# Altium PCB X-Track_2.0.PcbDoc
Units mil, origin at the board's own origin, x right, y up, seen from the top; angles counter-clockwise.
Board outline 1405 x 1615 mil, 4 copper layers (Top Layer, Layer 1, Layer 2, Bottom Layer), stack 23.756 mil thick; 86 components, 60 nets, 363 pads, 454 vias.
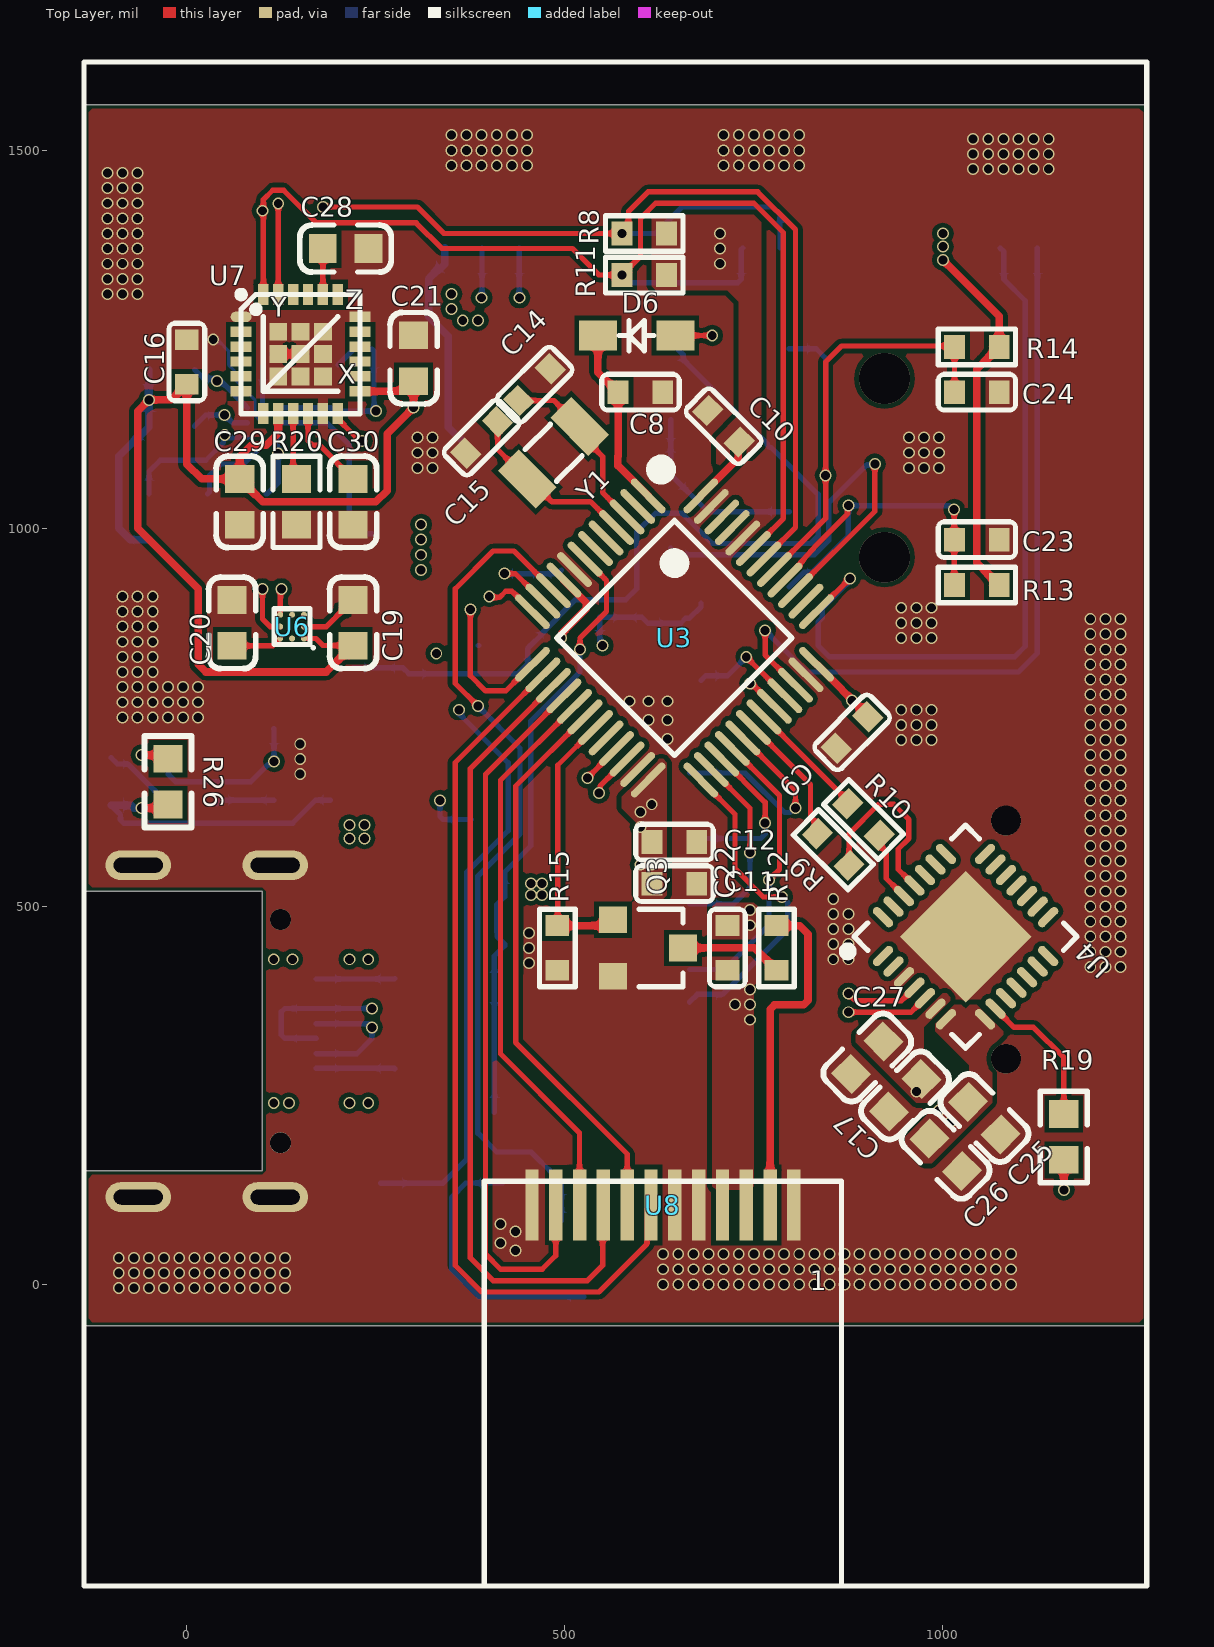
[diagram p0: Top Layer view]
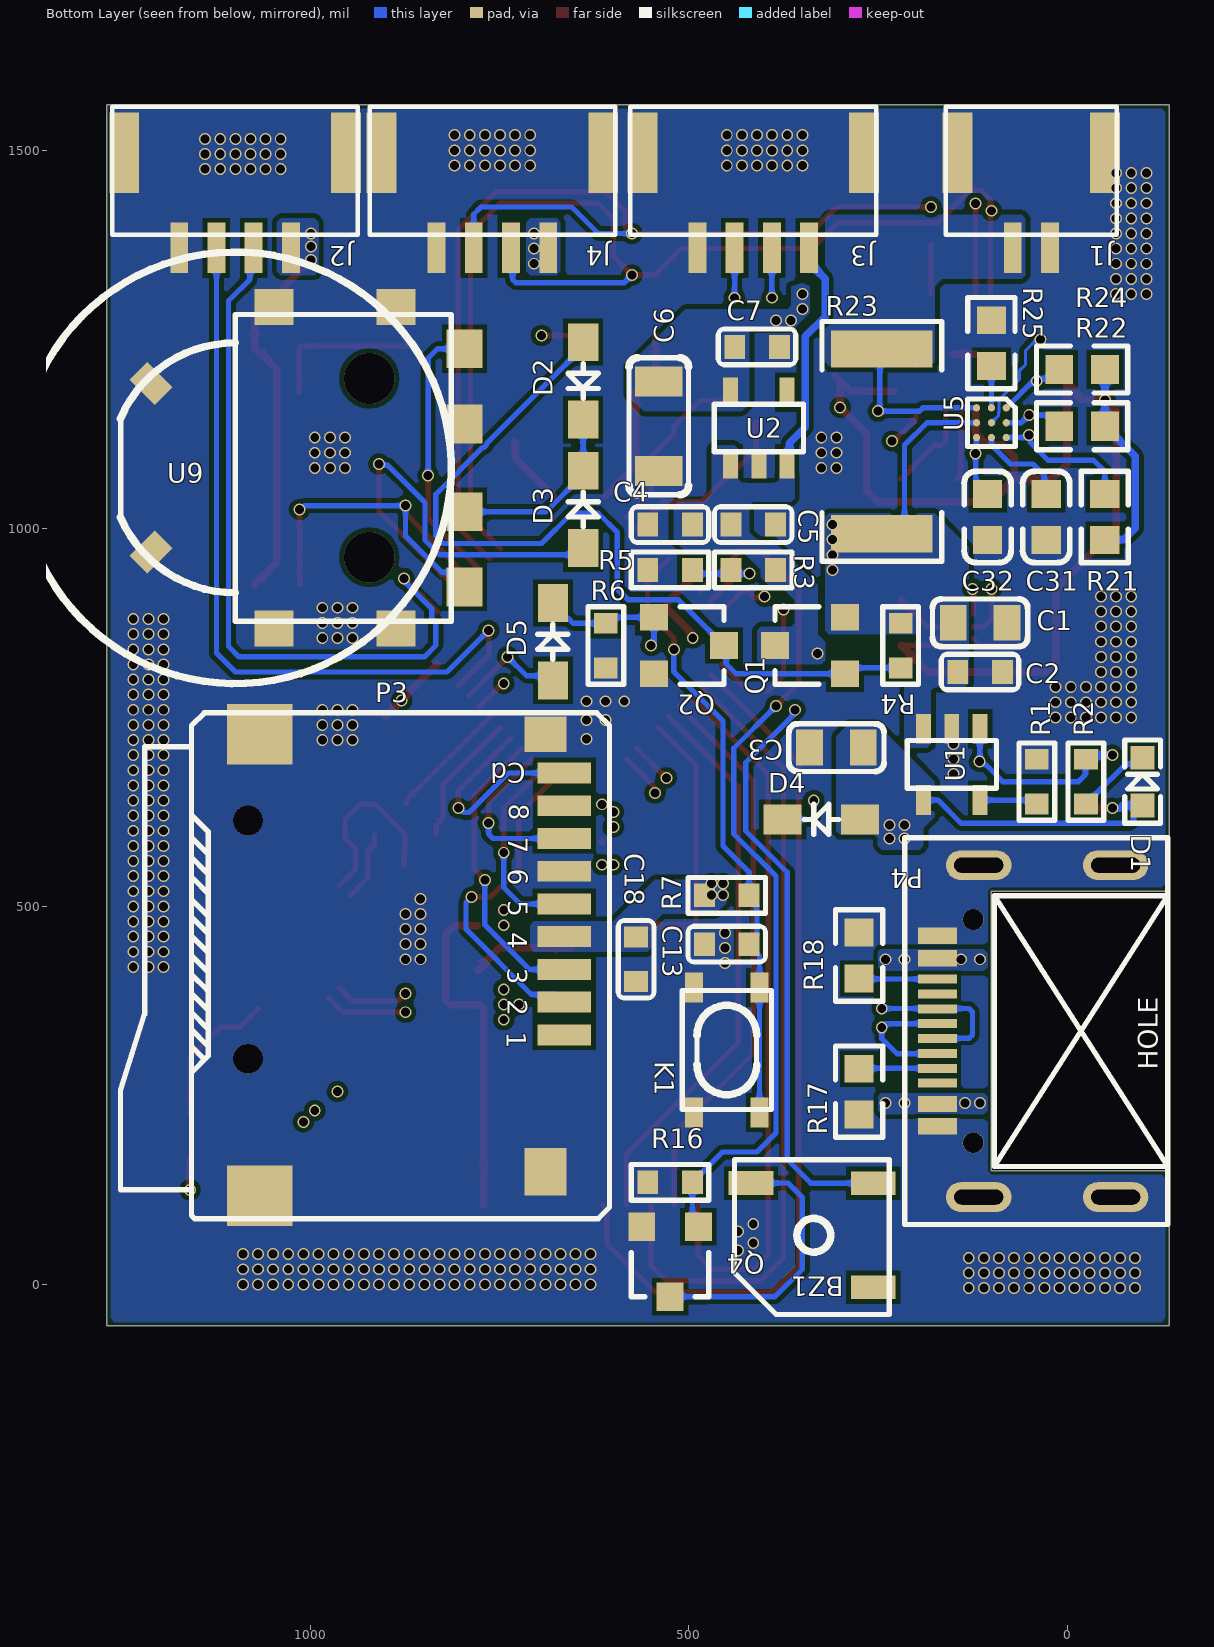
[diagram p1: Bottom Layer view, seen from below]
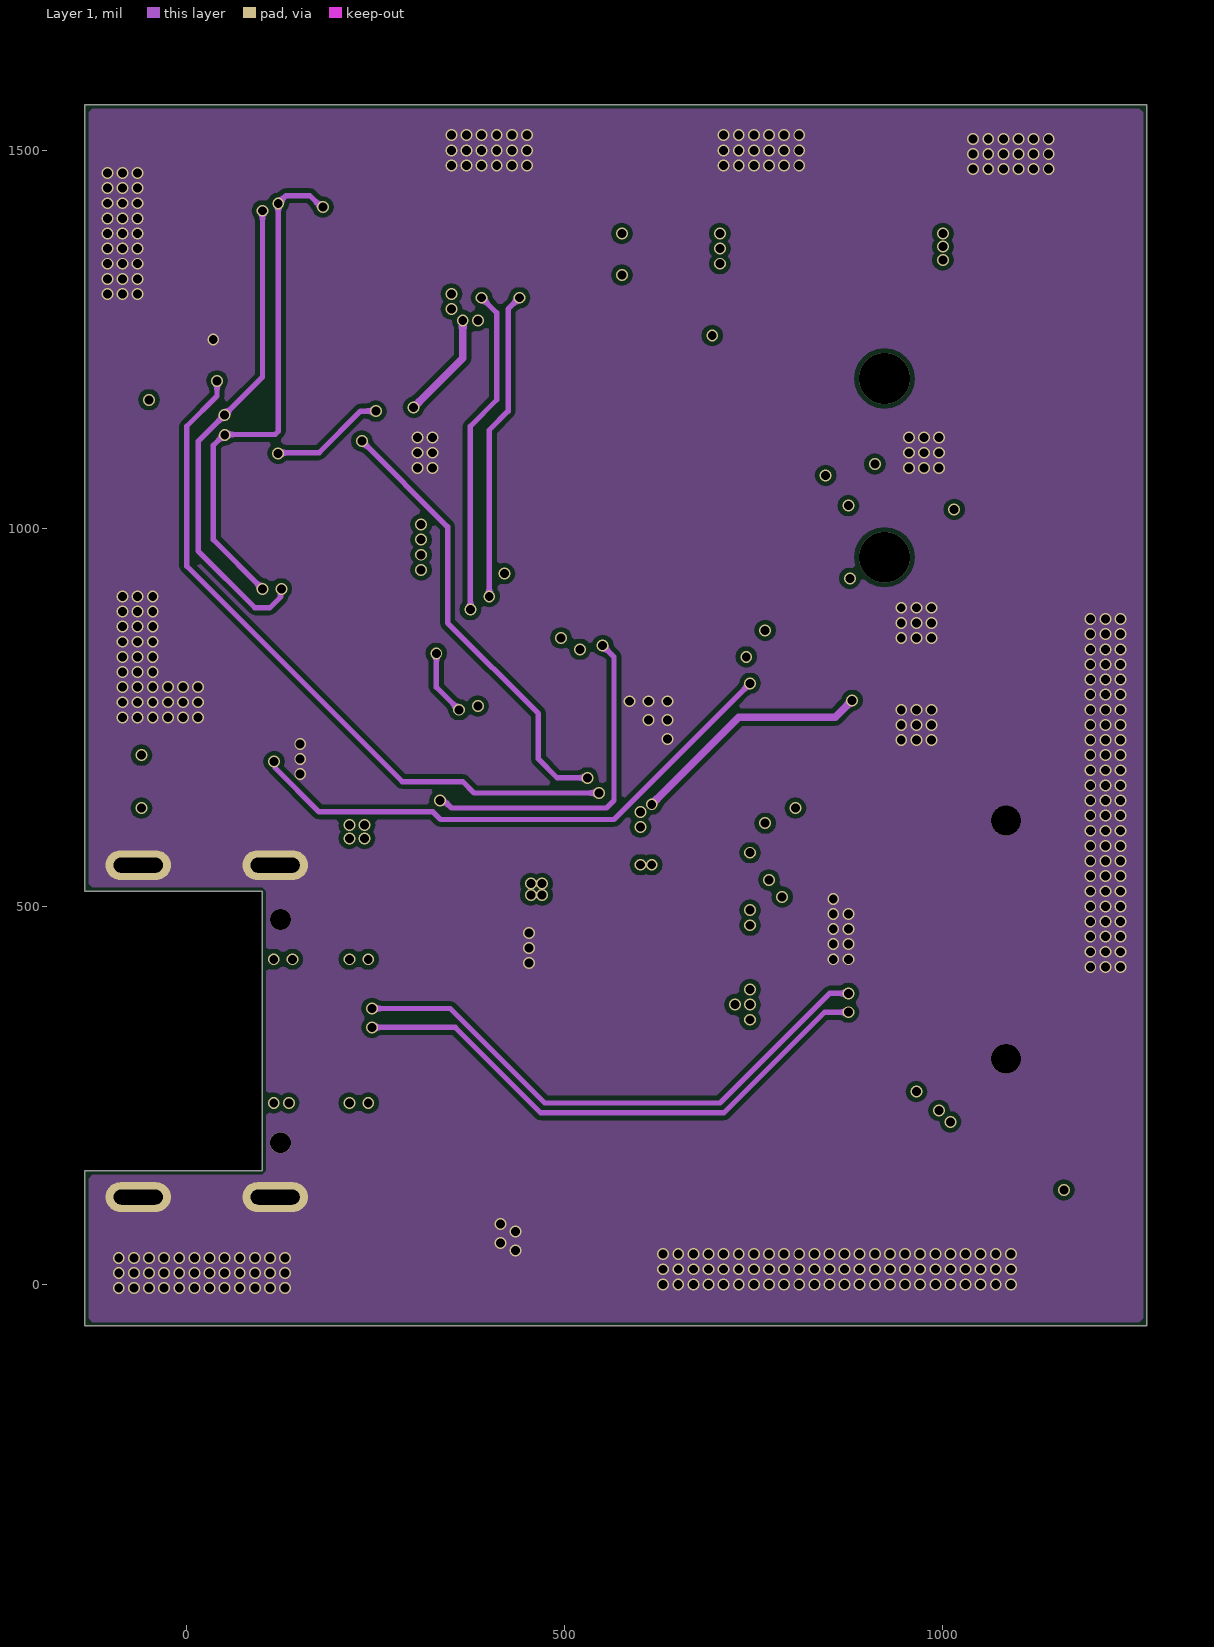
[diagram p2: Layer 1]
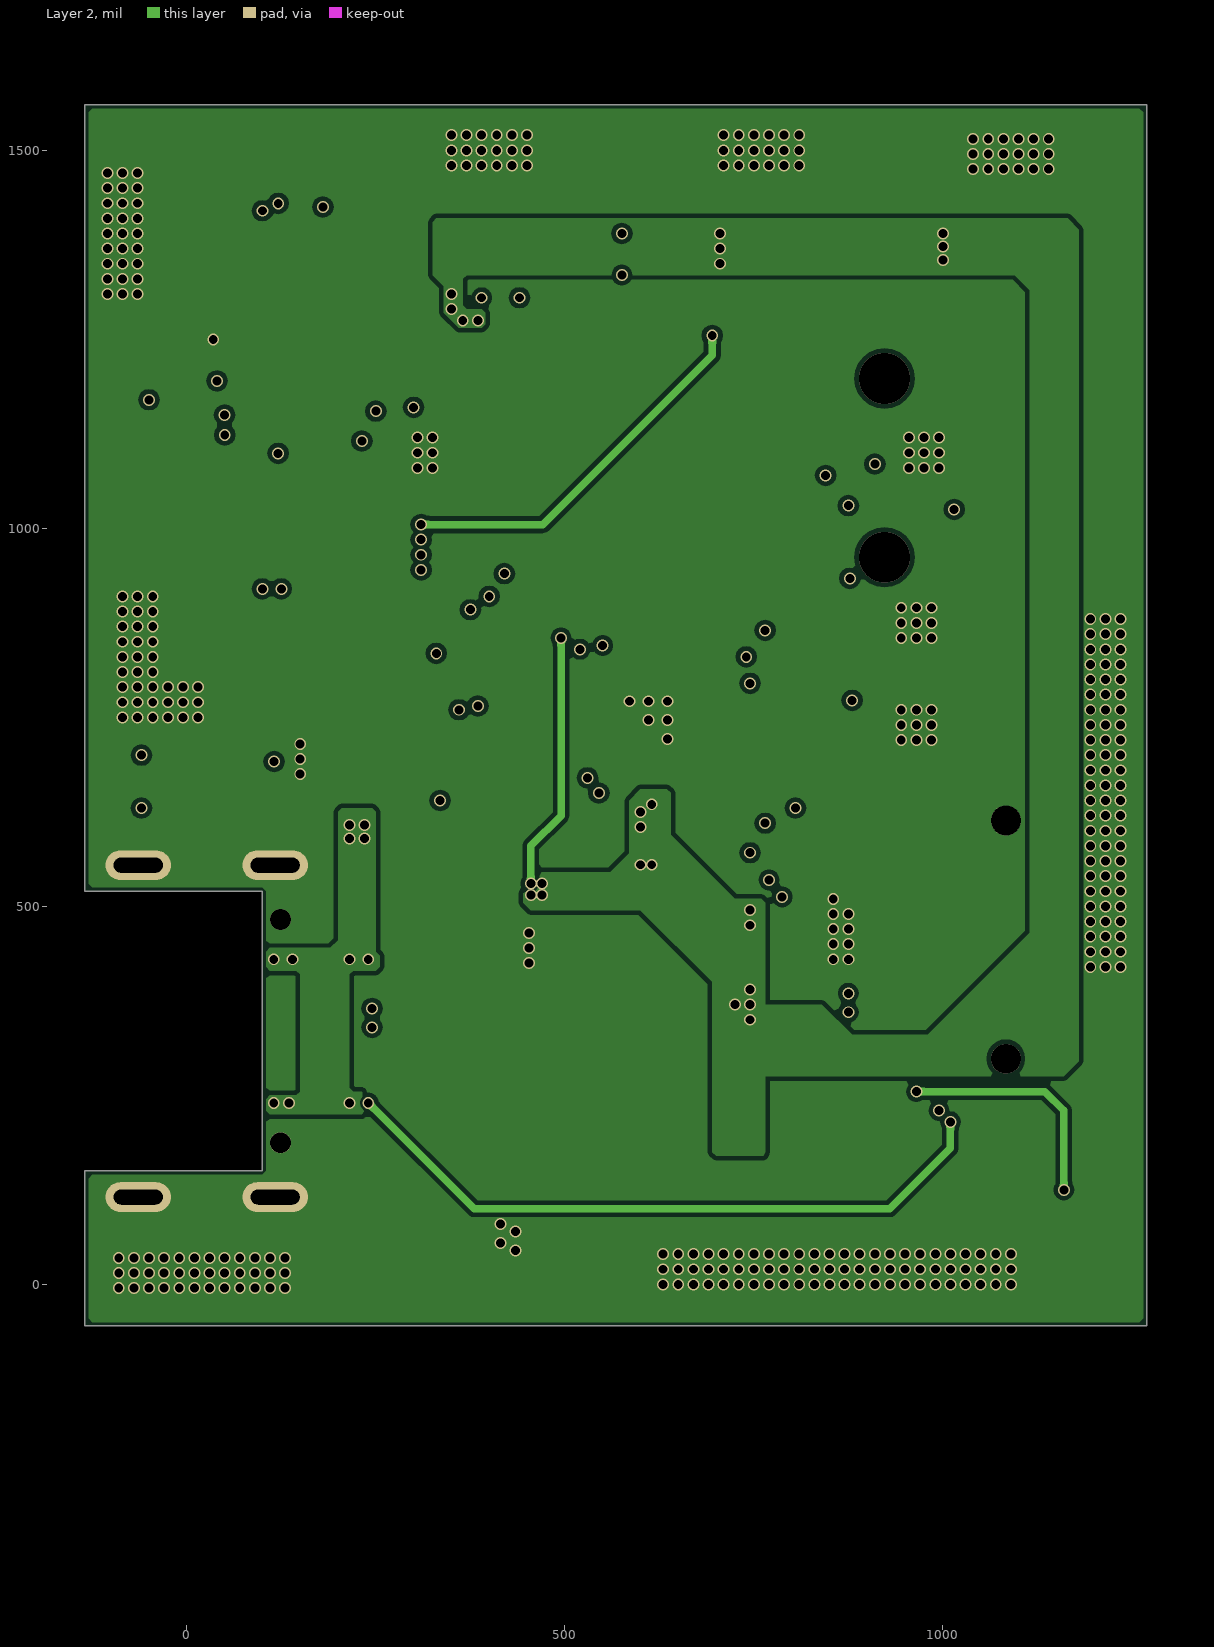
[diagram p3: Layer 2]
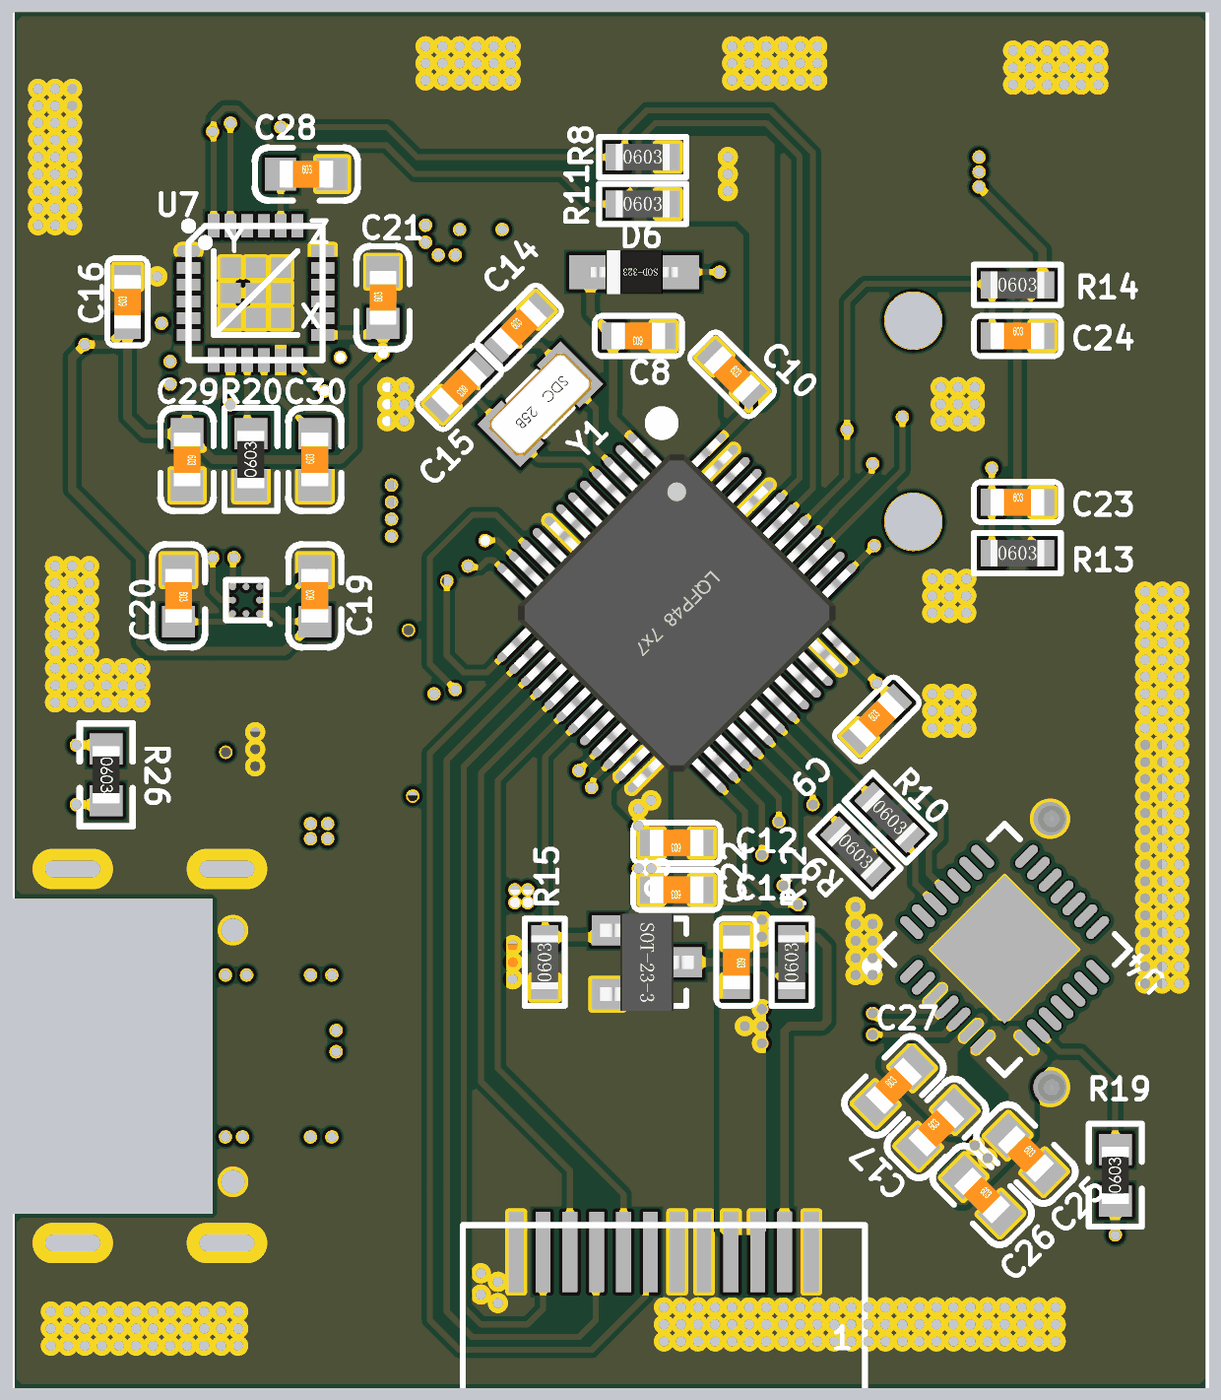
[diagram p4: 3D render of the assembled board from above, using the file's embedded part models]
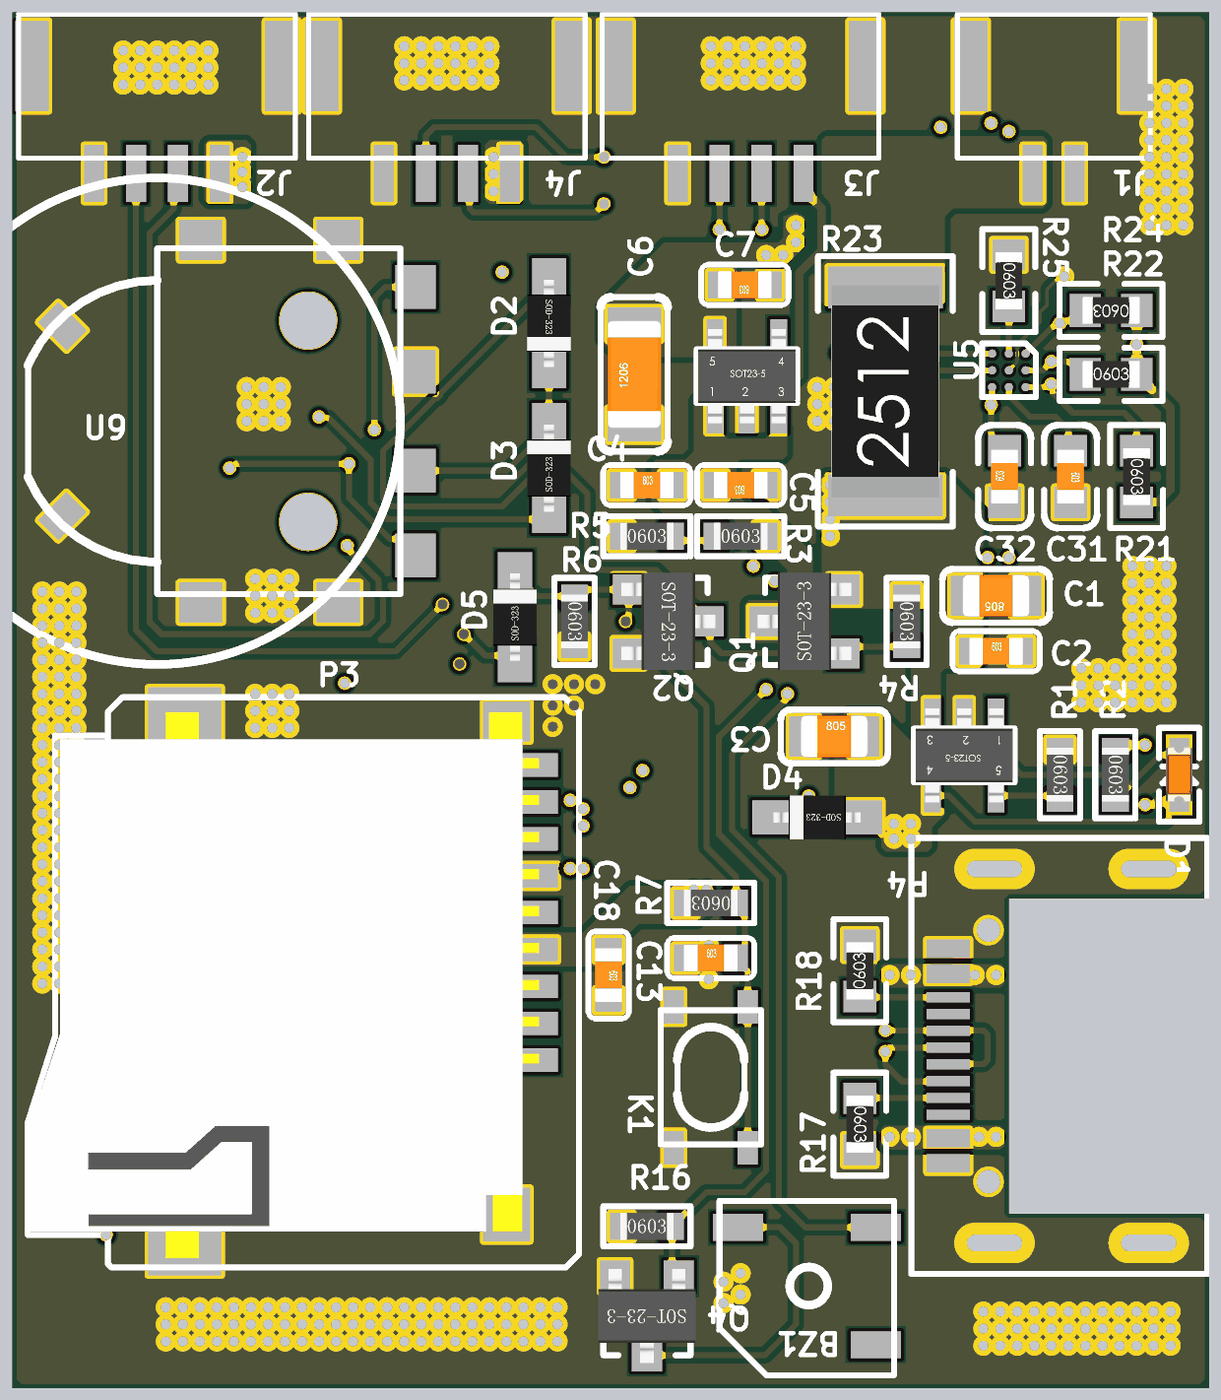
[diagram p5: 3D render of the assembled board from below, using the file's embedded part models]

## Layer stack, top to bottom
Top Solder: solder mask 0.4, Solder Resist, Dk 3.5
Top Layer: signal copper 1.4
Dielectric 2: prepreg 2.8, PP-006, Dk 4.1
Layer 1: signal copper 1.378
Dielectric 1: dielectric 12.6, FR-4, Dk 4.8
Layer 2: signal copper 1.378
Dielectric 3: prepreg 2.8, PP-006, Dk 4.1
Bottom Layer: signal copper 1.4
Bottom Solder: solder mask 0.4, Solder Resist, Dk 3.5

## Board outline
-135,520 100,520 100,150 -135,150 -135,-55 1270,-55 1270,1560 -135,1560

## Design rules (kind name [scope] priority, off if disabled: settings)
Clearance [All] p1: gap=6 ignorepadtopadclearanceinfootprint=TRUE except(0: Arc-Hole Track-Hole SMDPad-Hole THPad-Hole Via-Hole Fill-Hole Poly-Hole Region-Hole Text-Hole; 2: Arc-Arc Arc-Track Arc-SMDPad Track-Track Track-SMDPad; 3.94: SMDPad-SMDPad)
ComponentClearance [All] p1 off: gap=10 collisioncheckmode=3 verticalgap=10 showdistances=FALSE
HoleSize [All] p1 off: absolutevalues=TRUE maxlimit=100 minlimit=1 maxpercent=80.000 minpercent=20.000
HoleToHoleClearance [All] p1 off: gap=10 allowstackedmicrovias=TRUE
LayerPairs [All] p1 off: enforce=TRUE
MinimumSolderMaskSliver [All] p1 off: minsoldermaskwidth=10
NetAntennae [All] p1 off: netantennaetolerance=0
PlaneConnect [All] p1: planeconnectstyle=Relief reliefexpansion=7.87 reliefentries=4 reliefconductorwidth=10 reliefairgap=3.94
PolygonConnect [All] p1: connectstyle=Direct reliefconductorwidth=19.68 reliefentries=4 polygonreliefangle="90 Angle" airgapwidth=3.15
RoutingVias [All] p1: holewidth=12 width=24 viastyle="Through Hole" minholewidth=12 minwidth=24 maxholewidth=12 maxwidth=24
SilkToSilkClearance [All] p1 off: silktosilkclearance=10
SilkToSolderMaskClearance [IsPad] p1 off: minsilkscreentomaskgap=10 clearancetoexposedcopper=TRUE
SolderMaskExpansion [All] p1: expansion=4 istentingtop=FALSE
Width [All] p1: maxlimit=100 minlimit=4 preferedwidth=10
21 further rules are at their usual default settings.

## Classes and differential pairs
component class X-Track_Power: C1 C2 C3 C4 C5 C6 C7 C31 C32 D1 D2 D3 D4 D5 J1 Q1 Q2 R1 R2 R3 R4 R5 R6 R21 R22 R23 R24 R25 R26 U1 U2 U5
component class X-Track_Sheet: BZ1 C8 C9 C10 C11 C12 C13 C14 C15 C16 C17 C18 C19 C20 C21 C22 C23 C24 C25 C26 C27 C28 C29 C30 D6 J2 J3 J4 K1 P3 P4 Q3 Q4 R7 R8 R9 R10 R11 R12 R13 R14 R15 R16 R17 R18 R19 R20 U3 U4 U6 U7 U8 U9 Y1

## Components (designator, comment, footprint, x,y, rotation, side; value= is the part's Value field where it differs from the comment)
BZ1 "Buzzer" 蜂鸣器_SMD5020 335,65 r0 bottom
C1 "4.7UF" 电容_C0805 115,875 r0 bottom
C2 "104" 电容_C0603 115,810 r180 bottom
C3 "4.7UF" 电容_C0805 305,710 r180 bottom
C4 "104" 电容_C0603 525,1005 r180 bottom
C5 "106" 电容_C0603 415,1005 r0 bottom
C6 "22uF" 电容_C1206 540,1135 r90 bottom
C7 "104" 电容_C0603 410,1240 r0 bottom
C8 "104" 电容_C0603 600,1180 r180 top
C9 "105" 电容_C0603 880,730 r45 top
C10 "105" 电容_C0603 710,1135 r315 top
C11 "105" 电容_C0603 645,530 r180 top
C12 "105" 电容_C0603 645,585 r180 top
C13 "104" 电容_C0603 450,450 r180 bottom
C14 "22pf" 电容_C0603 460,1190 r45 top
C15 "22pf" 电容_C0603 390,1120 r225 top
C16 "105" 电容_C0603 0,1220 r90 top
C17 "4.7uF (475) 10% 16V" 0603_C 950,250 r45 top
C18 "104" 电容_C0603 570,430 r270 bottom
C19 "2.2uF (225) 10% 16V" 0603_C 220,875 r90 top
C20 "4.7uF (475) 10% 16V" 0603_C 60,875 r270 top
C21 "100nF (104) 10% 50V" 0603_C 300,1225 r90 top
C22 "104" 电容_C0603 715,445 r270 top
C23 "104" 电容_C0603 1045,985 r0 top
C24 "104" 电容_C0603 1045,1180 r0 top
C25 "1uF (105) 10% 50V" 0603_C 1055,220 r315 top
C26 "100nF (104) 10% 50V" 0603_C 1003.56,171.44 r315 top
C27 "100nF (104) 10% 50V" 0603_C 900,300 r45 top
C28 "2.2nF" 0603_C 210,1370 r0 top
C29 "1uF (105) 10% 50V" 0603_C 70,1035 r270 top
C30 "100nF (104) 10% 50V" 0603_C 220,1035 r90 top
C31 "2.2uF (225) 10% 16V" 0603_C 27.5,1015 r270 bottom
C32 "1uF (105) 10% 50V" 0603_C 105,1015 r90 bottom
D1 "red" LED_0603 -100,665 r90 bottom
D2 "1N4148" 二极管_SOD-323 640,1195 r270 bottom
D3 "1N4148" 二极管_SOD-323 640,1025 r90 bottom
D4 "1N4148" 二极管_SOD-323 325,615 r0 bottom
D5 "1N4148" 二极管_SOD-323 680,850 r90 bottom
D6 "1N4007" 二极管_SOD-323 595,1255 r180 top
J1 "GH1.25 2P 母座" "GH1.25 2P 母座" 47.24,1550 r0 bottom locked
J2 "GH1.25 4P 母座" "GH1.25 4P 母座" 1100.39,1550 r0 bottom locked
J3 "GH1.25 4P 母座" "GH1.25 4P 母座" 415,1550 r0 bottom locked
J4 "GH1.25 4P 母座" "GH1.25 4P 母座" 760,1550 r0 bottom locked
K1 "SKRP" 开关按键_SKRP 450,310 r270 bottom
P3 "Micro_SD" 接插件_Micro_SD 665,330 r270 bottom locked
P4 "USB-TYPEC沉板" USB-TYPEC-沉板 120,335 r90 bottom locked
Q1 "AO3401" MOS_SOT-23 340,845 r90 bottom
Q2 "AON3400" MOS_SOT-23 500,845 r270 bottom
Q3 "AO3400" MOS_SOT-23 610,445 r270 top
Q4 "AO3400" MOS_SOT-23 525,30 r0 bottom
R1 "2K" 电阻_R0603 40,665 r270 bottom
R2 "1K" 电阻_R0603 -25,665 r270 bottom
R3 "20K" 电阻_R0603 415,945 r180 bottom
R4 "20K" 电阻_R0603 220,845 r270 bottom
R5 "20K" 电阻_R0603 525,945 r180 bottom
R6 "20K" 电阻_R0603 610,845 r270 bottom
R7 "10K" 电阻_R0603 450,514.68 r0 bottom
R8 "10K" 电阻_R0603 605,1390 r0 top
R9 "100R" 电阻_R0603 855,575 r315 top
R10 "100R" 电阻_R0603 895,615 r315 top
R11 "10K" 电阻_R0603 605,1335 r0 top
R12 "10R" 电阻_R0603 780,445 r90 top
R13 "10K" 电阻_R0603 1045,925 r0 top
R14 "10K" 电阻_R0603 1045,1240 r0 top
R15 "10K" 电阻_R0603 490,445 r90 top
R16 "10K" 电阻_R0603 525,135 r180 bottom
R17 "5.1KΩ (5101) ±1%" 0603_R 275,255 r270 bottom locked
R18 "5.1KΩ (5101) ±1%" 0603_R 275,435 r90 bottom locked
R19 "10KΩ (1002) ±1%" 0603_R 1160,195 r90 top
R20 "10KΩ (1002) ±1%" 0603_R 145,1035 r90 top
R21 "10KΩ (1002) ±1%" 0603_R -50,1015 r270 bottom
R22 "10KΩ (1002) ±1%" 0603_R -20,1135 r180 bottom
R23 "0.01Ω" 2512_R 245,1115 r90 bottom
R24 "10KΩ (1002) ±1%" 0603_R -20,1210 r0 bottom
R25 "10KΩ (1002) ±1%(可选10K热敏电阻)" 0603_R 100,1245 r270 bottom
R26 "10KΩ (1002) ±1%" 0603_R -25,665 r270 top
U1 "MCP73831" SOT23-5 115,735 r0 bottom
U2 "LP5907-3.3" SOT23-5 445,1085.51 r180 bottom
U3 "AT32F403ACGU7" "LQFP48 7X7_L" 645,855 r225 top locked
U4 "CP2102-GMR" QFN-28_5x5x05P 1030,460 r315 top
U5 "BQ27220" BQ27220 80.32,1159.37 r270 bottom
U6 "QMC6310U" QMC6310 155,854.25 r180 top
U7 "MPU-6050" MPU-6050 150.47,1230.47 r0 top
U8 "SCREEN 2.0'" "SCREEN 2.0' 12PIN" 629.76,57.76 r0 top locked
U9 "Rotary Encoder" SIQ-02FVS3 1100,1080 r90 bottom locked
Y1 "32.768K" 晶振_3215 485,1100 r225 top
